# KiCad board zplitzalp.kicad_pcb
title: ilo; rev: v1.0.0; company: Unknown
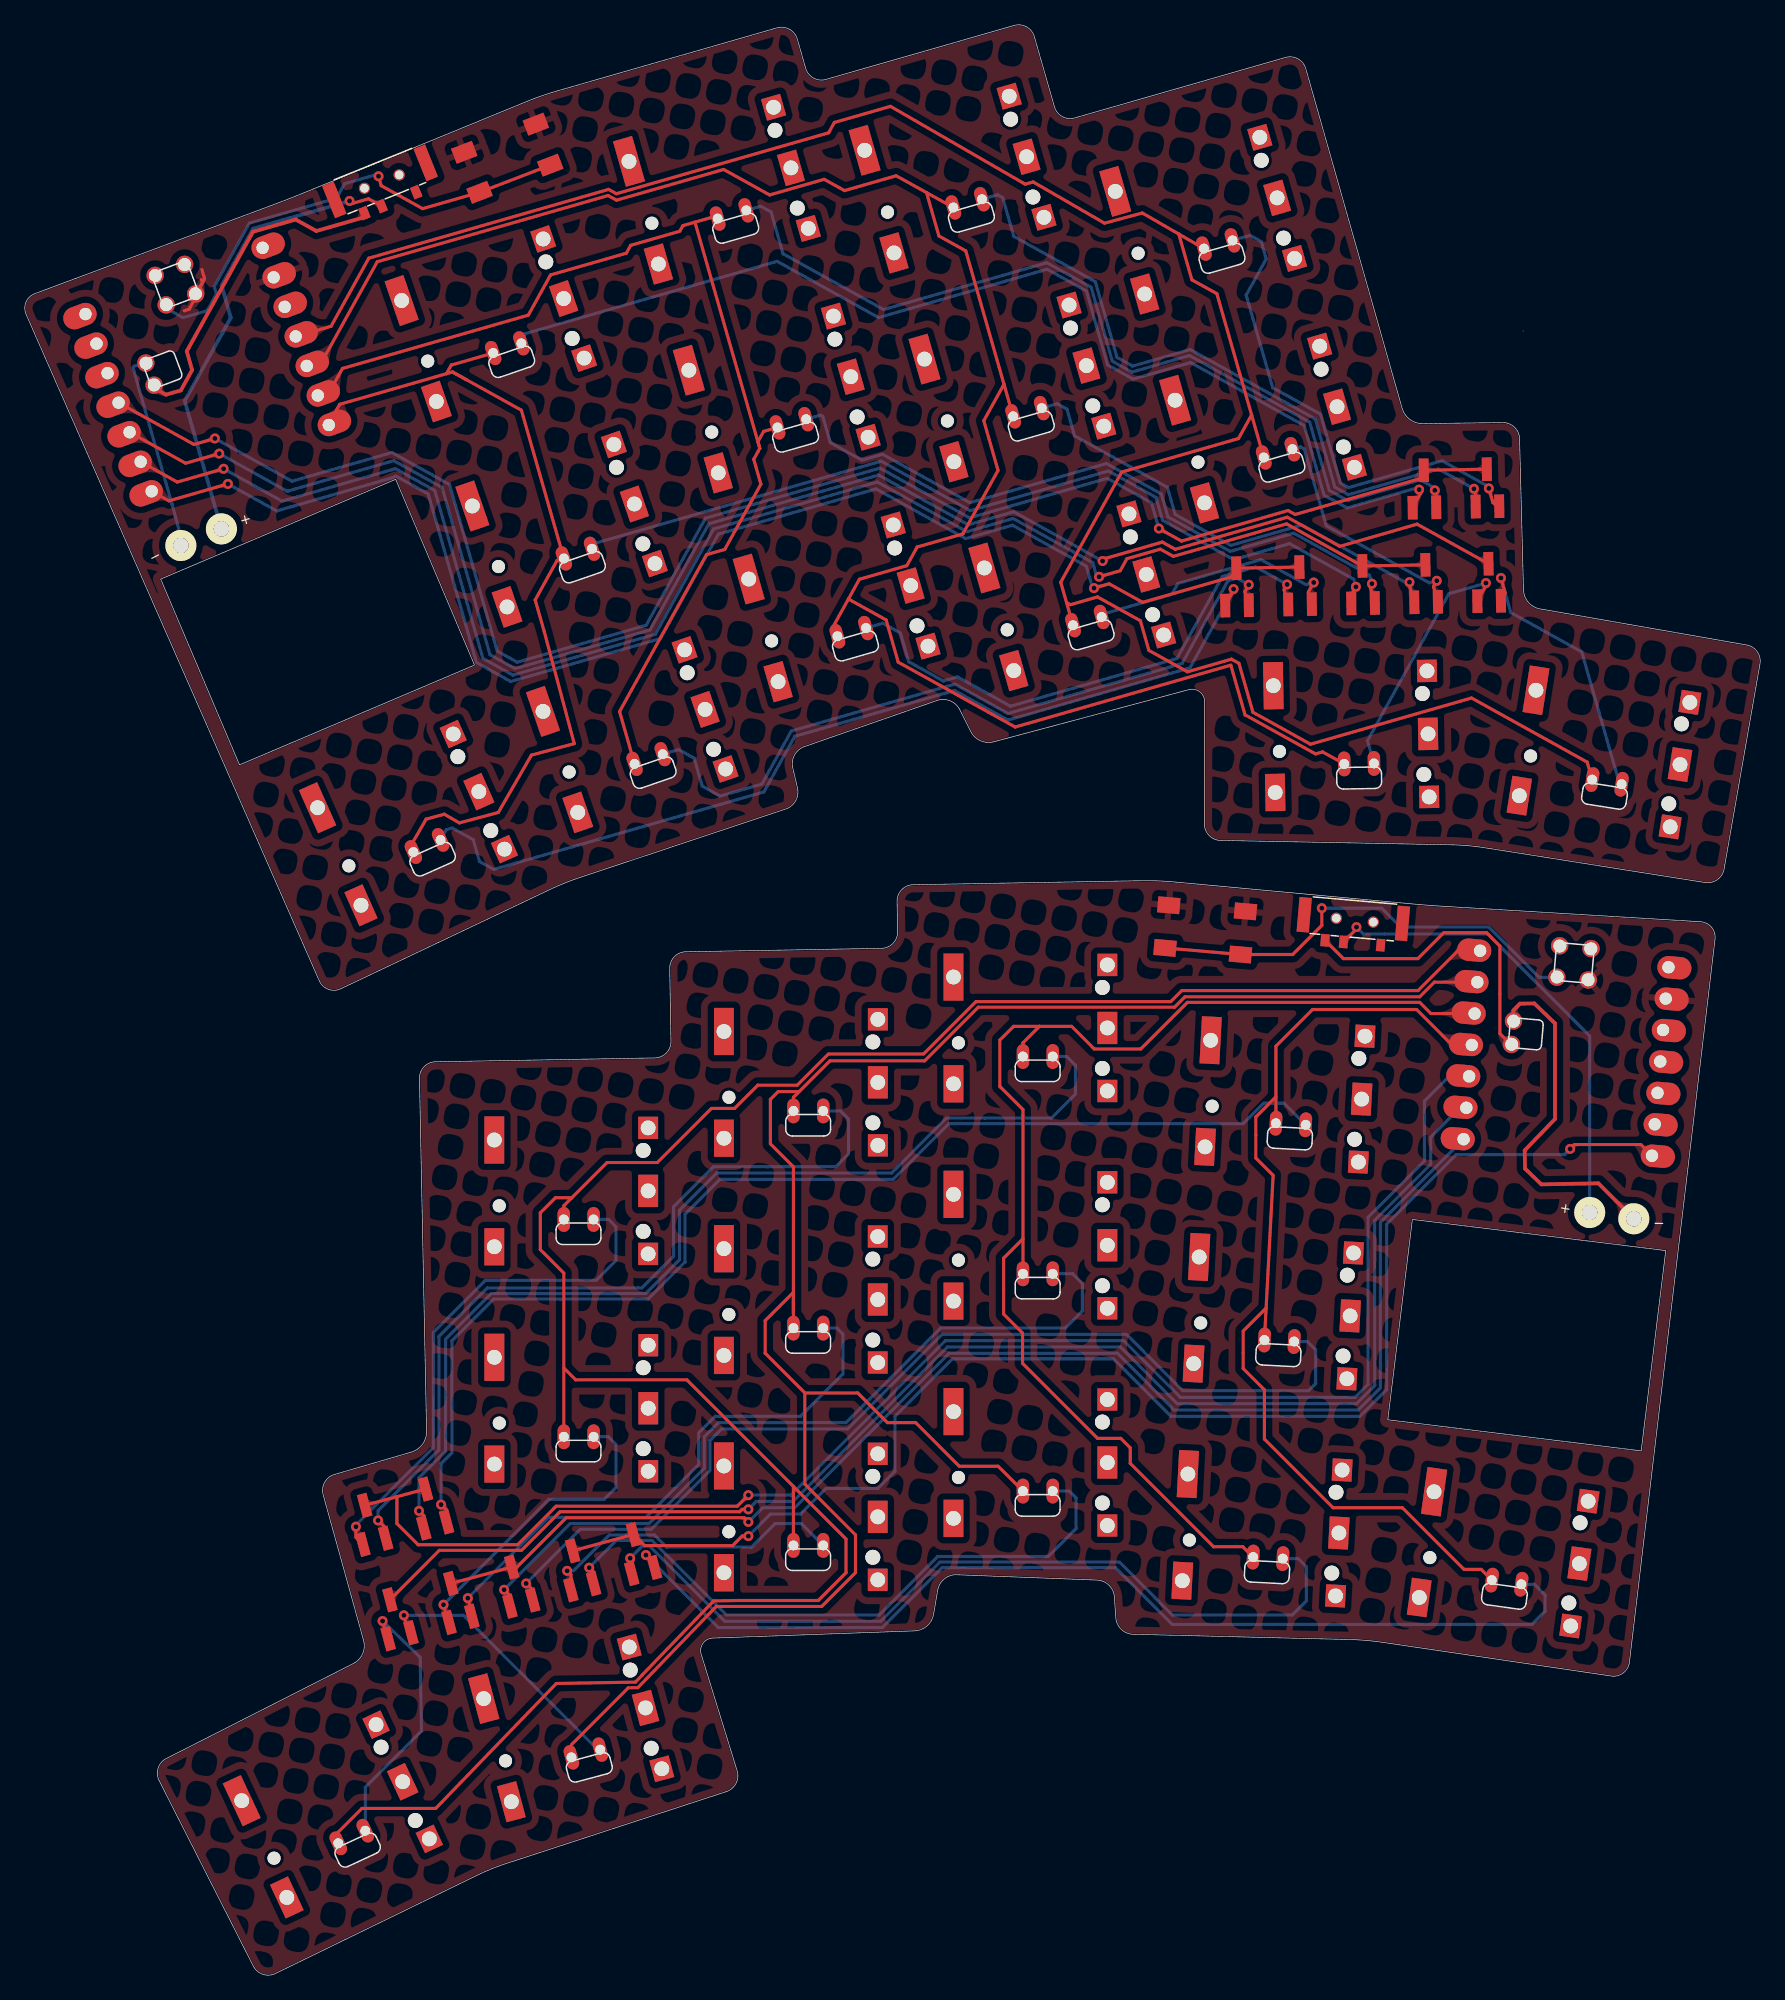
[diagram p0: board, top side]
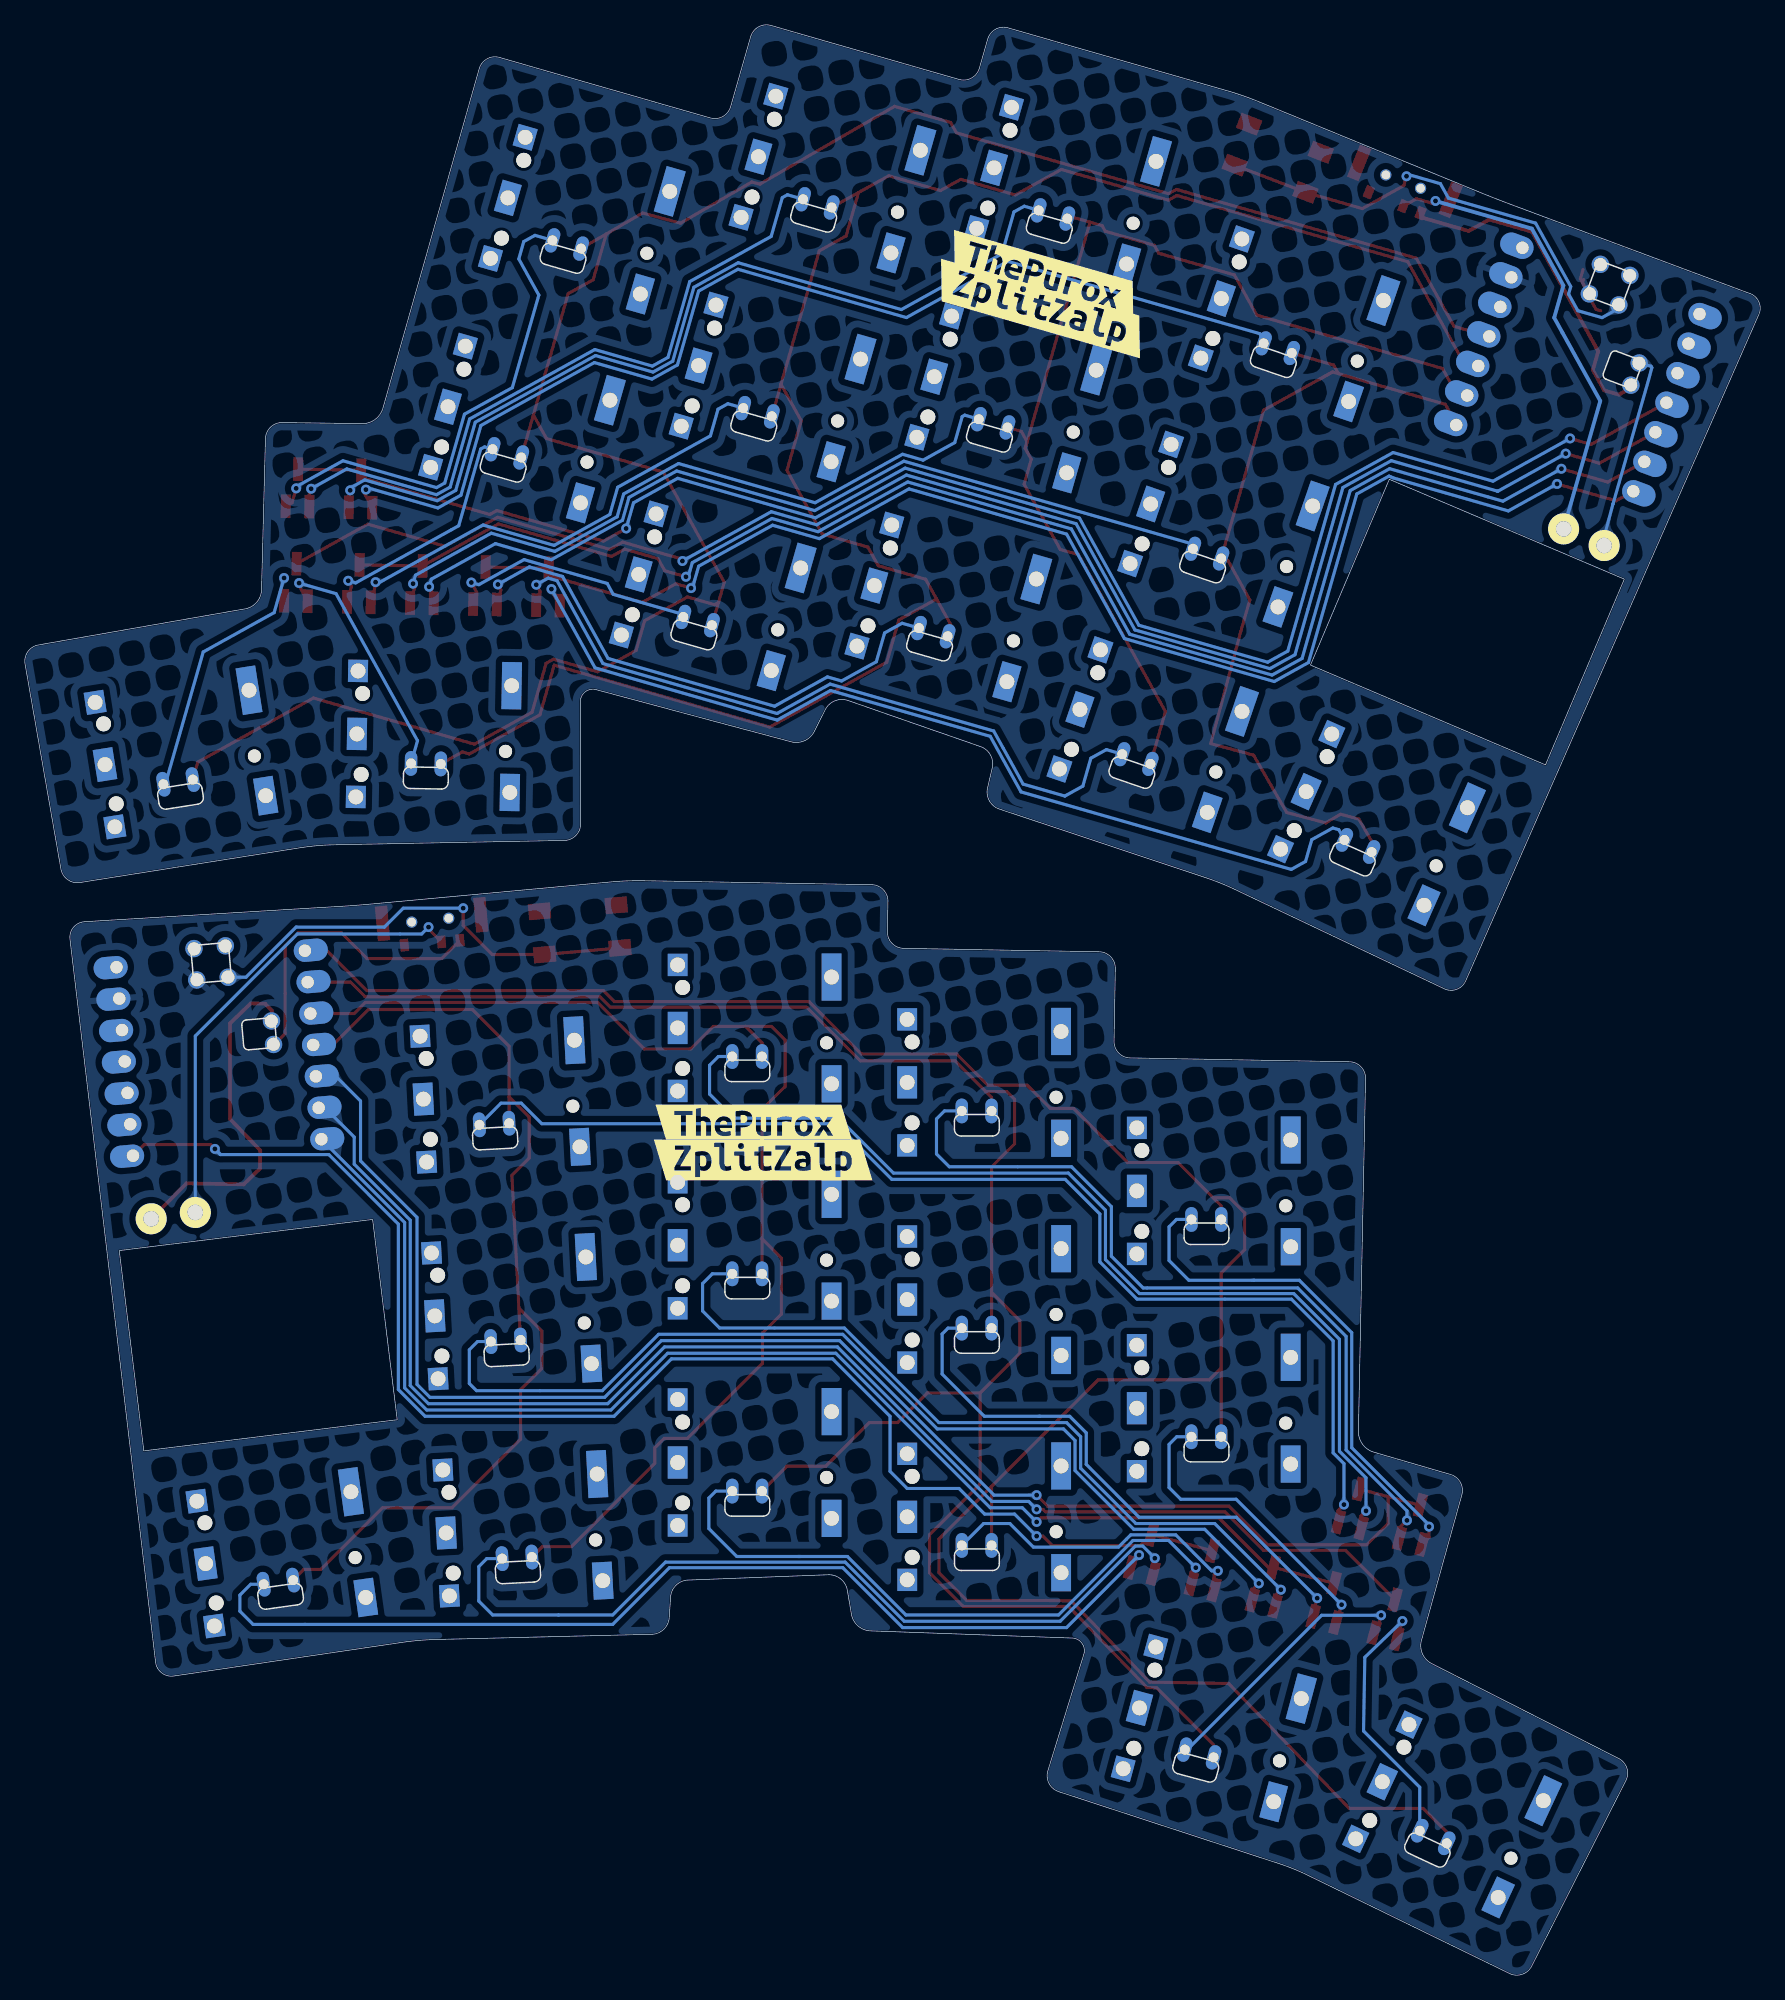
[diagram p1: board, bottom side, seen from below]

Outline 139.84 x 157.09 mm; copper layers: Top, Bottom. Coordinates in mm from the lower left corner of the outline.
Outline path: 17.3,97.48 10.95,112.45 29.89,120.49 36.24,105.52 closed ; 109.83,44.74 111.81,60.87 132.24,58.36 130.25,42.23 closed ; outline of 616 points within 0,79.33 139.84,157.09 closed ; outline of 626 points within 10.68,0 136.21,88.16 closed

## Placement (name value [footprint] x y rotation side)
BAT+1  +  [BatteryPad]  15.84 116.49 38 top
BAT+2  +  [BatteryPad]  126.1 61.43 261 top
BAT-1  -  [BatteryPad]  12.57 115.15 112 top
BAT-2  -  [BatteryPad]  129.66 60.92 21 top
D01  BAV70_Small  [SOT-23_Handsoldering#2]  112.76 119.71 91 top
D02  BAV70_Small  [SOT-23_Handsoldering#4]  117.84 119.8 91 top
D03  BAV70_Small  [SOT-23_Handsoldering#2]  107.82 112.01 91 top
D04  BAV70_Small  [SOT-23_Handsoldering#4]  112.89 112.09 91 top
D05  BAV70_Small  [SOT-23_Handsoldering#2]  97.66 111.83 91 top
D06  BAV70_Small  [SOT-23_Handsoldering#4]  102.74 111.92 91 top
D07  BAV70_Small  [SOT-23_Handsoldering#3]  117.97 112.18 91 top
D08  BAV70_Small  [SOT-23_Handsoldering]  29.81 28.79 105 top
D09  BAV70_Small  [SOT-23_Handsoldering]  44.53 32.73 105 top
D10  BAV70_Small  [SOT-23_Handsoldering#2]  49.44 34.05 105 top
D11  BAV70_Small  [SOT-23_Handsoldering]  34.72 30.1 105 top
D12  BAV70_Small  [SOT-23_Handsoldering#2]  39.62 31.42 105 top
D13  BAV70_Small  [SOT-23_Handsoldering]  27.77 36.39 105 top
D14  BAV70_Small  [SOT-23_Handsoldering#2]  32.68 37.71 105 top
kibuzzard-672142E0  G***  [kibuzzard-672142E0]  81.11 68.71 180 bottom
kibuzzard-672142E0#2  G***  [kibuzzard-672142E0]  57.74 137.04 196 bottom
kibuzzard-67214396  G***  [kibuzzard-67214396]  58 134.24 196 bottom
kibuzzard-67214396#2  G***  [kibuzzard-67214396]  80.35 65.66 180 bottom
SW1  SW_Push  [Cherry_ULP_TH_CUT]  37.56 133.03 19 top
SW2  SW_Push  [Cherry_ULP_TH_CUT]  55.78 143.86 16 top
SW3  SW_Push  [Cherry_ULP_TH_CUT]  74.77 144.76 16 top
SW4  SW_Push  [Cherry_ULP_TH_CUT]  94.96 141.45 16 top
SW5  SW_Push  [Cherry_ULP_TH_CUT]  43.26 116.48 19 top
SW6  SW_Push  [Cherry_ULP_TH_CUT]  60.6 127.04 16 top
SW7  SW_Push  [Cherry_ULP_TH_CUT]  79.59 127.93 16 top
SW8  SW_Push  [Cherry_ULP_TH_CUT]  99.78 124.62 16 top
SW9  SW_Push  [Cherry_ULP_TH_CUT]  30.92 92.81 24 top
SW10  SW_Push  [Cherry_ULP_TH_CUT]  48.96 99.93 19 top
SW11  SW_Push  [Cherry_ULP_TH_CUT]  65.42 110.22 16 top
SW12  SW_Push  [Cherry_ULP_TH_CUT]  84.41 111.11 16 top
SW13  SW_Push  [Cherry_ULP_TH_CUT]  106.88 99.87 1 top
SW14  SW_Push  [Cherry_ULP_TH_CUT]  127.26 98.48 351 top
SW15  SW_Push  [Cherry_ULP_TH_CUT]  24.83 12.96 25 top
SW16  SW_Push  [Cherry_ULP_TH_CUT]  44.03 19.92 15 top
SW17  SW_Push  [Cherry_ULP_TH_CUT]  62.54 36.92 0 top
SW18  SW_Push  [Cherry_ULP_TH_CUT]  81.04 41.29 0 top
SW19  SW_Push  [Cherry_ULP_TH_CUT]  99.7 35.94 357 top
SW20  SW_Push  [Cherry_ULP_TH_CUT]  119.13 34.01 352 top
SW21  SW_Push  [Cherry_ULP_TH_CUT]  44.04 45.67 0 top
SW22  SW_Push  [Cherry_ULP_TH_CUT]  62.54 54.42 0 top
SW23  SW_Push  [Cherry_ULP_TH_CUT]  81.04 58.79 0 top
SW24  SW_Push  [Cherry_ULP_TH_CUT]  100.61 53.43 357 top
SW25  SW_Push  [Cherry_ULP_TH_CUT]  44.03 63.17 0 top
SW26  SW_Push  [Cherry_ULP_TH_CUT]  62.54 71.91 0 top
SW27  SW_Push  [Cherry_ULP_TH_CUT]  81.03 76.29 0 top
SW28  SW_Push  [Cherry_ULP_TH_CUT]  101.54 70.89 357 top
SW29  SW_SPDT  [MSK12C02]  31.73 147.14 292 top
SW30  SW_SPDT  [MSK12C02#2]  111.03 86.02 265 top
SW31  SW_Push  [PushSwitch]  38.93 146.3 21 top
SW32  SW_Push  [PushSwitch]  95.12 84.16 355 top
U1  Seeeduino Xiao nRF52840  [xiao-ble-smd-cutout-extra-pins]  14.69 129.33 20.5 top
U2  Seeeduino Xiao nRF52840  [xiao-ble-smd-cutout-extra-pins]  124.2 74.26 355 top

## Library data of the parts
BAT+1 BAT+2 BAT-1 BAT-2 = -: ki_fp_filters: MountingHole*Pad*
D01 D02 D03 D04 D05 D06 D07 D08 D09-D14 = -: Datasheet: https://assets.nexperia.com/documents/data-sheet/BAV70_SER.pdf; ki_fp_filters: SOT?23*
SW31 SW32 = -: Description: Push button switch, generic, two pins
U1 U2 = -: Description: Symbol for a Seeeduino Xiao nRF52840

## Footprints (pads in the part's own frame, mm; a bottom-side part is the same pattern mirrored in y, then rotated)
BatteryPad
  round 2.5 hole 1.25: 1(0,0)
Cherry_ULP_TH_CUT
  round 1.05 hole 1.05 unplated: (-5.8,-1.2)
  round 1.2 hole 1.2 unplated: (5.8,3.26) (5.8,-3.26)
  rrect 1x2 hole 0.8: 1(-0.6,-2.3) 2(1.8,-2.3)
  rect 1.6x3.8 hole 1.2: 3(-6.2,4.1)
  rect 1.6x3 hole 1.2: 3(-6.2,-4.5)
  rect 1.6x1.8 hole 1.2: 3(6.2,5.075) 3(6.2,-5.075)
  rect 1.6x2.6 hole 1.2: 3(6.2,0)
MSK12C02
  round 0.9 hole 0.7 unplated: (1.35,-5.25) (1.4,-2.25)
  rect 1x0.7 smd: 1(3.2,-1.5) 2(3.2,-4.5) 3(3.2,-6)
  rect 2.8x1 smd: NC(1.3,-7.85) NC(1.3,0.1)
MSK12C02#2
  round 0.9 hole 0.7 unplated: (1.35,-5.25) (1.4,-2.25)
  rect 1x0.7 smd: 1(3.2,-1.5) 2(3.2,-4.5) 3(3.2,-6)
  rect 2.8x1 smd: NC(1.3,0.1) NC(1.3,-7.85)
PushSwitch
  rect 1.8x1.3 smd: 1(-3.1,1.75) 1(3.1,1.8) 2(-3.1,-1.7) 2(3,-1.7)
SOT-23_Handsoldering
  rect 1.9x0.8 smd: 1(-1.5,0.95) 2(-1.5,-0.95) 3(1.5,0)
SOT-23_Handsoldering#2
  rect 1.9x0.8 smd: 1(-1.5,0.95) 2(-1.5,-0.95) 3(1.5,0)
SOT-23_Handsoldering#3
  rect 1.9x0.8 smd: 1(-1.5,0.95) 2(-1.5,-0.95) 3(1.5,0)
SOT-23_Handsoldering#4
  rect 1.9x0.8 smd: 1(-1.5,0.95) 2(-1.5,-0.95) 3(1.5,0)
xiao-ble-smd-cutout-extra-pins
  oval 2.75x1.8 hole 1: 1(-7.62,7.62) 2(-7.62,5.08) 3(-7.62,2.54) 4(-7.62,0) 5(-7.62,-2.54) 6(-7.62,-5.08) 7(-7.62,-7.62) 8(7.62,7.62) 9(7.62,5.08) 10(7.62,2.54) 11(7.62,0) 12(7.62,-2.54) 13(7.62,-5.08) 14(7.62,-7.62)
  round 1.397 hole 1.016: 15(-4.445,2.222) 16(-4.445,0.317) 19(-1.27,8.572) 20(1.27,8.572) 21(-1.27,6.032) 22(1.27,6.032)

## Nets
gnd: SW31.1 SW32.1 U1.9 U1.22 U2.9 U2.22
+BATT1: SW29.3 U1.16
+BATT2: SW30.3 U2.16
-BATT1: BAT-1.1 U1.15
-BATT2: BAT-2.1 U2.15
c1: SW1.1 SW5.1 SW9.1 U1.14
c2: SW2.1 SW6.1 SW10.1 U1.13
c3: SW3.1 SW7.1 SW11.1 SW13.1 U1.12
c4: SW4.1 SW8.1 SW12.1 SW14.1 U1.11
c5: SW15.1 SW17.1 SW21.1 SW25.1 U2.1
c6: SW16.1 SW18.1 SW22.1 SW26.1 U2.2
c7: SW19.1 SW23.1 SW27.1 U2.3
c8: SW20.1 SW24.1 SW28.1 U2.4
r1: D01.3 D02.3 U1.4
r2: D03.3 D04.3 U1.6
r3: D05.3 D06.3 U1.7
r4: D07.3 U1.5
r5: D13.3 D14.3 U2.5
r6: D11.3 D12.3 U2.7
r7: D09.3 D10.3 U2.14
r8: D08.3 U2.6
RST1: SW31.2 U1.21
RST2: SW32.2 U2.21
Net-(D01-A1): D01.1 SW1.2
Net-(D01-A2): D01.2 SW2.2
Net-(D02-A1): D02.1 SW3.2
Net-(D02-A2): D02.2 SW4.2
Net-(D03-A1): D03.1 SW5.2
Net-(D03-A2): D03.2 SW6.2
Net-(D04-A1): D04.1 SW7.2
Net-(D04-A2): D04.2 SW8.2
Net-(D05-A1): D05.1 SW9.2
Net-(D05-A2): D05.2 SW10.2
Net-(D06-A1): D06.1 SW11.2
Net-(D06-A2): D06.2 SW12.2
Net-(D07-A1): D07.1 SW13.2
Net-(D07-A2): D07.2 SW14.2
Net-(D08-A1): D08.1 SW15.2
Net-(D08-A2): D08.2 SW16.2
Net-(D09-A1): D09.1 SW17.2
Net-(D09-A2): D09.2 SW18.2
Net-(D10-A1): D10.1 SW19.2
Net-(D10-A2): D10.2 SW20.2
Net-(D11-A1): D11.1 SW21.2
Net-(D11-A2): D11.2 SW22.2
Net-(D12-A1): D12.1 SW23.2
Net-(D12-A2): D12.2 SW24.2
Net-(D13-A1): D13.1 SW25.2
Net-(D13-A2): D13.2 SW26.2
Net-(D14-A1): D14.1 SW27.2
Net-(D14-A2): D14.2 SW28.2
Net-(SW29-B): BAT+1.1 SW29.2
Net-(SW30-B): BAT+2.1 SW30.2

Pads without a net: SW1 3; SW2 3; SW3 3; SW4 3; SW5 3; SW6 3; SW7 3; SW8 3; SW9 3; SW10 3; SW11 3; SW12 3; SW13 3; SW14 3; SW15 3; SW16 3; SW17 3; SW18 3; SW19 3; SW20 3; SW21 3; SW22 3; SW23 3; SW24 3; SW25 3; SW26 3; SW27 3; SW28 3; SW29 1 NC; SW30 1 NC; U1 1 2 3 8 10 19 20; U2 8 10 11 12 13 19 20

## Via types
v1: diameter 0.8, hole 0.4, Top to Bottom, 45 vias

## Routing (per net, layer and track width the routed paths; a pad name or vN(x,y) marks a point on that pad's centre or on a via; arc(x,y) is an arc through that point)
gnd: length 5.3
  Top w0.25: 14.24,136.58 14.31,136.32 13.83,135.44 ; 13.83,135.44 U1.22 13.82,135.24 13.23,134.18 12.85,134.07 ; 13.83,135.44 14.49,136.63 14.27,137.38
+BATT1: length 26.4
  Top w0.3: SW29.3 27.15,141.54 23.49,140.49 21.82,141.41 18.39,140.42 13.22,131.1 13.05,130.8 13.48,129.29 12.57,127.65 11.38,127.3 10.49,127.79
+BATT2: length 24.3
  Top w0.25: SW30.3 106.25,81.88 112.26,81.88 114.35,83.97 117.79,83.97 118.87,82.9 118.87,79.05 118.87,75.84 119.74,74.96
-BATT1: length 15.8
  Bottom w0.25: 12.7,115.37 11.86,118.51 11.86,118.51 9,128.49 8.73,129.48 8.8,129.6 U1.15
-BATT2: length 28.2
  Top w0.3: U2.15 119.95,77.7 120.48,78.25 121.64,78.27 123.31,76.66 123.31,68.96 120.87,66.43 120.89,64.97 122.21,63.7 126.81,63.78 BAT-2.1
c1: length 68.9
  Top w0.25: 34.48,129.12 35.57,128.52 ; 35.57,128.52 34.46,129.13 33.98,128.99 ; 35.57,128.52 40.02,126.05 SW5.1 42.89,113.95 41.13,110.77 41.86,108.22 44.28,99.2 40.82,98.27 38.16,93.65 35.02,92.81 33.81,93.51 32.34,93.12 31.15,91.06 ; SW1.1 34.37,129.69 33.98,128.99 ; 33.98,128.99 25.37,126.52 24.68,125.29
c2: length 86.2
  Top w0.25: SW6.1 59.54,124.34 59.07,123.51 59.23,122.98 ; SW10.1 47.93,101.78 54.93,114.41 56.4,114.84 59.32,120.09 58.74,122.1 59.23,122.98 ; 59.23,122.98 54,141.2 ; 54,141.2 55.55,141.64 ; 54,141.2 53.03,140.92 52.78,140.47 48.82,139.33 48.47,138.7 42.37,136.95 40.57,133.71 25.6,129.41 24.89,128.14
c3: length 154.7
  Top w0.25: 72.66,143.58 SW3.1 ; 72.66,143.58 70.21,144.93 66.05,143.74 64.41,144.65 60.02,143.39 56.31,145.44 47.68,142.97 47.01,143.34 41.23,141.69 28.4,138.01 23.94,129.97 ; 72.66,143.58 73.67,140.08 75.83,138.88 78.91,128.14 ; 78.91,128.14 SW7.1 ; 78.91,128.14 77.28,125.2 78.43,121.2 75.59,116.09 71.91,115.03 71.08,113.53 67.25,112.43 66.37,110.84 ; 65.22,108.76 66.37,110.84 ; 66.37,110.84 69.41,109.16 70.38,105.75 79.81,100.53 97.18,105.52 98.33,101.51 104.01,98.37 104.58,98.53 SW13.1
c4: length 179.8
  Top w0.25: 92.99,140.24 94.05,136.55 96.06,135.44 98.86,125.67 ; 92.99,140.24 SW4.1 ; 92.99,140.24 90.05,141.93 87,141.12 81.26,144.43 80.61,144.26 69.76,150.52 65.24,149.23 64.78,148.39 47.67,143.49 47.04,143.84 27.72,138.3 24.68,132.81 U1.11 ; 83.95,110.56 84.26,110.39 86.44,111.01 89.9,109.1 90.58,106.7 93.69,104.98 97.24,106 97.84,105.67 98.97,101.72 103.6,99.15 116.58,102.87 125.9,97.7 SW14.1 ; 83.95,110.56 83.48,112.2 88.4,121.07 97.34,123.64 97.81,123.77 98.86,125.67 ; 83.95,110.56 SW12.1 ; 98.86,125.67 SW8.1
c5: length 191.8
  Top w0.25: 61.94,39.37 SW17.1 ; 61.94,39.37 53.35,47.95 44.39,47.95 43.43,48.91 ; 61.94,39.37 66.18,35.12 66.18,32.42 63.94,30.18 57.54,30.18 55.51,30.14 49.77,24.2 49.77,24.19 49.21,23.6 42.83,23.49 33.11,13.43 27.16,13.43 25.26,11.53 SW15.1 ; 44.08,62.62 42.76,62.62 41.54,61.4 41.54,58.44 43.43,56.55 43.43,43.37 ; 44.08,62.62 46.92,65.45 50.97,65.45 55.33,69.81 57.2,69.81 59.07,71.68 62.24,71.68 64.76,74.2 72.43,74.2 76.65,78.42 92.34,78.42 93.23,79.3 112.27,79.3 115.48,82.51 U2.1 ; 44.08,62.62 43.43,61.97 SW25.1
c6: length 159.1
  Top w0.25: 61.94,55 61.94,64.42 61.94,65.1 60.08,66.96 60.08,70.54 60.71,71.17 62.4,71.17 ; 61.94,55 61.94,54.49 ; 61.94,55 59.66,52.72 59.66,50.1 62.86,46.9 ; 61.94,54.49 61.94,53.32 ; 61.94,54.49 SW22.1 ; U2.2 113.59,79.98 112.41,78.8 93.49,78.8 92.65,77.97 76.83,77.97 72.51,73.65 64.88,73.65 62.4,71.17 ; 62.4,71.17 61.94,70.71 SW26.1 ; 62.86,46.9 67.12,46.9 69.51,44.51 71.79,44.51 75.3,40.99 78.44,40.99 SW18.1 ; 62.86,46.9 62.86,39.55 66.94,35.47 66.94,32.42 64.22,29.7 55.72,29.7 49.4,23.16 48.63,23.14 44.05,18.56
c7: length 101.1
  Top w0.25: 81.76,76.42 80.43,75.09 SW27.1 ; 81.76,76.42 79.68,76.42 78.57,75.32 78.57,71.59 80.43,69.72 80.43,59.31 ; 81.76,76.42 84.36,76.42 86.17,74.61 89.93,74.61 93.68,78.35 112.41,78.35 113.31,77.45 U2.3 ; 80.43,59.31 78.88,57.76 78.88,53.25 80.4,51.72 80.4,49.28 86.45,43.24 88.32,43.24 89.08,42.47 89.08,41.22 95.8,34.51 98.15,34.51 SW19.1 ; 80.43,59.31 SW23.1
c8: length 78.7
  Top w0.25: 100.03,53.73 98.18,51.88 98.18,48.86 99.89,47.15 99.89,43.18 105.42,37.65 111.01,37.65 115.98,32.68 117.36,32.68 SW20.1 ; 100.03,53.73 100.59,64.42 99.2,65.82 99.2,69.12 100.82,70.74 ; 100.03,53.73 SW24.1 ; SW28.1 100.82,70.74 ; 100.82,70.74 100.82,74.82 103.77,77.78 112.16,77.78 115.01,74.92
r1: length 134.5
  Top w0.25: v1(15.32,123.78) 13.63,123.29 U1.4 ; D02.3 D01.3 112.35,120.51 102.37,117.65 101.8,117.97 93.21,115.51 v1(91.39,116.52)
  Bottom w0.25: v1(91.39,116.52) 90.79,118.59 87.23,120.57 76.13,117.38 68.9,121.39 54.85,117.36 50.07,108.73 39.68,105.75 38.07,106.65 36.88,110.8 34.22,120.07 29.58,122.64 21.53,120.33 v1(15.32,123.78)
r2: length 127.2
  Top w0.25: D04.3 D03.3 101.68,116.89 92.55,114.28 91.5,114.86 88.81,114.09 88.27,113.12 v1(86.57,112.63) ; U1.6 12.28,120.26 v1(16.02,121.34)
  Bottom w0.25: v1(16.02,121.34) 20.73,118.72 21.95,119.07 29.86,121.34 33.04,119.58 36,109.23 36.91,106.06 39.33,104.72 50.81,108.01 55.51,116.49 68.7,120.27 75.92,116.27 79.64,117.33 86.06,113.77 86.35,112.75 v1(86.57,112.63)
r3: length 115.3
  Top w0.25: D06.3 D05.3 97.24,112.63 90.08,110.57 87.38,112.07 v1(86.16,111.72) ; v1(16.37,120.11) 11.61,118.75 U1.7
  Bottom w0.25: v1(86.16,111.72) 86.03,111.79 85.54,113.48 79.58,116.79 75.82,115.71 68.59,119.71 55.89,116.07 51.23,107.66 50.93,107.57 39.16,104.2 36.4,105.73 32.51,119.3 29.92,120.74 29.88,120.73 29.57,120.6 21.52,118.29 20.3,117.94 v1(16.37,120.11)
r4: length 133.1
  Top w0.25: D07.3 112.19,116.87 105.97,115.09 101.74,117.43 92.71,114.84 91.66,115.43 86.95,114.08 v1(86.85,113.9) ; v1(15.67,122.56) 12.96,121.78 U1.5
  Bottom w0.25: v1(86.85,113.9) 79.69,117.87 76.03,116.82 68.8,120.83 55.13,116.91 50.38,108.35 39.51,105.24 37.49,106.35 33.63,119.82 29.73,121.99 21.18,119.54 ; 21.18,119.54 21.14,119.52 v1(15.67,122.56) ; 21.18,119.54 21.17,119.51
r5: length 124.5
  Top w0.25: D13.3 29.99,38.54 ; 29.99,38.54 29.99,36.38 31.7,34.67 39.71,34.67 42.81,37.78 57.42,37.78 v1(58.31,38.66) ; 29.99,38.54 D14.3
  Bottom w0.25: U2.5 114.77,72.39 112.79,70.41 112.79,65.59 108.24,61.04 108.24,47.59 107.19,46.54 93.12,46.54 88.55,51.11 74.18,51.11 61.74,38.66 v1(58.31,38.66)
r6: length 107.9
  Top w0.25: D11.3 D12.3 39.65,32.87 43.63,36.84 57.97,36.84 v1(58.31,36.51)
  Bottom w0.25: U2.7 109.23,60.62 109.23,47.3 107.46,45.52 92.61,45.52 88.04,50.09 74.49,50.09 62.04,37.65 59.46,37.65 58.32,36.51 v1(58.31,36.51)
r7: length 116.2
  Top w0.25: v1(58.31,35.36) 57.8,35.36 57.04,34.6 49.95,34.6 D10.3 D09.3 ; U2.14 130.23,66.9 124.88,66.9 v1(124.53,66.55)
  Bottom w0.25: v1(58.31,35.36) 60.09,37.14 62.5,37.14 64.56,39.2 68.74,39.2 70.12,40.58 70.12,45.01 74.75,49.64 87.73,49.64 92.36,45.01 107.58,45.01 109.74,47.17 109.74,60.49 115.34,66.1 124.07,66.1 v1(124.53,66.55) 124.53,66.53 124.09,66.1
r8: length 116
  Top w0.25: D08.3 33.4,34.22 40.02,34.22 43.13,37.33 57.6,37.33 57.8,37.52 v1(58.31,37.52)
  Bottom w0.25: U2.6 115.66,69.86 113.3,67.5 113.3,65.32 108.78,60.81 108.78,47.49 107.32,46.03 92.87,46.03 88.3,50.6 74.36,50.6 61.91,38.16 58.94,38.16 v1(58.31,37.52)
RST1: length 38.8
  Top w0.25: SW31.2 SW31.2 32.06,142.29 28.72,144.14 v1(28.5,144.9)
  Bottom w0.25: v1(28.5,144.9) 28.28,145.02 25.77,144.29 25.12,143.13 18.1,141.12 15.27,136.01 15.44,135.41 14.7,134.07 12.74,133.51 11.49,134.2 U1.21
RST2: length 36.3
  Top w0.25: v1(104.52,85.94) 104.52,84.55 102.17,82.21 SW32.2 SW32.2
  Bottom w0.25: v1(104.52,85.94) 109.34,85.94 110.87,84.42 117.98,84.42 122.02,80.38 U2.21
Net-(D01-A1): length 88.6
  Top w0.25: D01.1 112.46,119.31 v1(112.36,119.66)
  Bottom w0.25: 39.86,131.38 40.33,132.22 60.63,138.04 68.8,133.51 82.38,137.41 85.55,135.65 87.25,129.7 89.3,128.56 93.94,129.89 103.09,124.82 104.7,119.21 106.55,118.18 112.14,119.78 v1(112.36,119.66)
Net-(D01-A2): length 73.4
  Top w0.25: v1(113.62,119.6) 113.92,118.56
  Bottom w0.25: SW2.2 59.3,142.48 60.13,142.02 61.1,138.65 69.21,134.16 82.36,137.93 85.93,135.95 87.63,130 89.22,129.12 93.86,130.45 103.54,125.08 105.12,119.59 106.61,118.76 112.45,120.44 113.56,119.82 v1(113.62,119.6) ; 58.71,142.3 57.99,142.09
Net-(D02-A1): length 55.6
  Top w0.25: v1(116.77,119.72) 117.1,118.61
  Bottom w0.25: SW3.2 78.39,143.4 78.8,143.17 79.7,140.05 86.26,136.41 88.01,130.3 89.27,129.61 93.91,130.94 104,125.34 105.57,119.85 106.67,119.25 113.9,121.32 v1(116.77,119.72)
Net-(D02-A2): length 40
  Top w0.25: D02.2 118.31,118.6 v1(117.98,119.75)
  Bottom w0.25: SW4.2 98.73,140.13 99.64,139.63 100.04,138.23 98.42,135.32 100.56,127.87 104.42,125.73 106.01,120.18 106.67,119.82 114.2,121.98 117.93,119.91 v1(117.98,119.75)
Net-(D03-A1): length 69.6
  Top w0.25: v1(107.26,111.83) 106.77,110.93
  Bottom w0.25: v1(107.26,111.83) 107.09,112.44 101.92,115.3 97.41,114.01 91.68,117.19 91.15,119.03 87.31,121.16 76.19,117.97 69.01,121.95 45.82,115.3 45.56,114.83
Net-(D03-A2): length 55.1
  Top w0.25: v1(108.56,112.08) 108.42,111.82 D03.2
  Bottom w0.25: v1(108.56,112.08) 108.36,112.76 102.25,116.15 97.13,114.68 92.11,117.46 91.59,119.3 87.16,121.76 76.16,118.6 69.11,122.5 67.45,122.03 64.91,123.44 64.31,125.54 64.1,125.65 SW6.2
Net-(D04-A1): length 38.7
  Top w0.25: D04.1 111.53,112.11 v1(111.58,112.2)
  Bottom w0.25: v1(111.58,112.2) 111.34,112.13 102.92,116.81 97.19,115.16 92.7,117.65 92.07,119.84 84.6,123.98 83.98,126.13 83.19,126.57 SW7.2 ; 81.8,126.17 82.02,125.41
Net-(D04-A2): length 19.4
  Top w0.25: v1(113.78,112.31) 113.52,111.84 D04.2
  Bottom w0.25: v1(113.78,112.31) 113.18,112.14 104.88,116.75 103.11,122.92 102.8,123.09 SW8.2
Net-(D05-A1): length 76.6
  Top w0.25: v1(97.41,111.64) 97.43,111.57 D05.1
  Bottom w0.25: v1(97.41,111.64) 93.89,105.3 79.22,101.09 74.92,103.47 74.59,103.38 62.05,99.78 59.57,95.31 37.79,89.06 36.64,89.7 36.13,91.46 34.44,92.4 33.96,92.26 SW9.2
Net-(D05-A2): length 59.6
  Top w0.25: v1(98.63,111.99) 98.32,111.44 D05.2
  Bottom w0.25: v1(98.63,111.99) 97.67,112.53 96.95,112.32 93.25,105.65 79.22,101.62 74.95,103.99 61.77,100.21 61,98.82 59.4,95.94 56.03,94.97 54.58,95.77 53.94,98.02 52.69,98.71 SW10.2
Net-(D06-A1): length 43.6
  Top w0.25: v1(101.72,112.02) 101.48,111.57 D06.1
  Bottom w0.25: SW11.2 69.14,108.89 70.56,108.11 71.22,105.79 74.02,104.24 75.17,104.57 79.42,102.21 92.85,106.06 96.51,112.66 99.18,113.43 v1(101.72,112.02)
Net-(D06-A2): length 20.8
  Top w0.25: D06.2 103.43,111.4 v1(103.86,112.17)
  Bottom w0.25: 86.63,109.34 86.77,109.6 92.43,111.22 92.91,112.1 99.61,114.02 103.25,112 v1(103.86,112.17)
Net-(D07-A1): length 20.2
  Top w0.25: D07.1 117.78,111.99 v1(117.74,112.13)
  Bottom w0.25: SW13.2 108.2,99.43 114.76,111.27 v1(117.74,112.13)
Net-(D07-A2): length 22.5
  Top w0.25: v1(118.95,112.54) 119.3,111.33 D07.2
  Bottom w0.25: v1(118.95,112.54) 119.75,109.75 125.47,106.58 128.52,95.94
Net-(D08-A1): length 21.5
  Top w0.25: v1(28.83,28.53) 29.2,27.14
  Bottom w0.25: SW15.2 27.43,15.14 31.96,19.67 31.96,19.72 31.86,25.6 v1(28.83,28.53)
Net-(D08-A2): length 21.5
  Top w0.25: v1(30.55,28.99) 30.89,27.72
  Bottom w0.25: 46.21,18.12 35.34,28.99 v1(30.55,28.99)
Net-(D09-A1): length 25.4
  Top w0.25: v1(43.7,32.57) 44,32.27 D09.1
  Bottom w0.25: v1(43.7,32.57) 44.2,32.57 47.1,35.46 50.73,35.46 51.71,34.48 58.57,34.48 60.47,36.38 62.57,36.38 SW17.2
Net-(D09-A2): length 51.7
  Top w0.25: v1(45.48,32.82) 45.84,32.47 D09.2
  Bottom w0.25: SW18.2 84.16,38.99 84.72,38.43 84.72,35.97 82.47,33.72 77.35,33.72 ; v1(45.48,32.82) 47.67,35.01 50.54,35.01 56.54,29.01 68.85,29.01 73.56,33.72 77.35,33.72 ; 77.35,33.72 77.57,33.72
Net-(D10-A1): length 67.8
  Top w0.25: D10.1 48.91,33.46 v1(48.78,33.58)
  Bottom w0.25: SW19.2 102.62,33.55 103.26,32.91 103.26,30.13 102.14,29.01 96.84,29.01 92.47,29.01 88.21,33.27 73.74,33.27 68.97,28.5 56.41,28.5 50.35,34.56 49.75,34.56 48.78,33.59 v1(48.78,33.58)
Net-(D10-A2): length 83.9
  Top w0.25: 50.74,33.15 v1(50.05,33.84)
  Bottom w0.25: SW20.2 121.64,31.49 122.51,30.61 122.51,29.32 121.45,28.25 117.23,28.25 ; v1(50.05,33.84) 55.89,28 69.1,28 73.93,32.82 87.9,32.82 92.47,28.25 117.23,28.25 ; 117.23,28.25 117.36,28.25
Net-(D11-A1): length 24.8
  Top w0.25: v1(33.74,29.84) 34.11,28.45
  Bottom w0.25: SW21.2 47.02,43.37 47.64,42.75 47.64,39.28 46.69,38.33 42.23,38.33 v1(33.74,29.84)
Net-(D11-A2): length 46
  Top w0.25: v1(35.7,30.37) 36.07,28.98
  Bottom w0.25: v1(35.7,30.37) 42.22,36.89 50.05,36.89 54.31,41.14 54.31,43.68 55.64,45.01 58.05,45.01 ; 58.05,45.01 58.18,45.01 ; 58.05,45.01 62.52,45.01 65.92,48.42 65.92,51.64 65.45,52.12 SW22.2 64.18,51.96
Net-(D12-A1): length 63.4
  Top w0.25: 39.09,30.57 v1(38.62,31.04)
  Bottom w0.25: v1(38.62,31.04) 43.96,36.38 50.31,36.38 54.76,40.83 54.76,43.37 55.89,44.51 66.18,44.51 73.8,52.13 79.42,52.13 83.85,52.13 85.23,53.5 85.23,55.7 84.44,56.49 SW23.2 82.52,56.17
Net-(D12-A2): length 80.9
  Top w0.25: 40.93,31.02 v1(40.4,31.55)
  Bottom w0.25: v1(40.4,31.55) 44.76,35.91 50.48,35.91 55.21,40.65 55.21,43.07 56.14,44 66.31,44 73.93,51.62 88.77,51.62 93.31,47.08 98.33,47.08 103.45,47.08 104.02,47.66 104.02,50.37 103.36,51.04 SW24.2
Net-(D13-A1): length 41.9
  Top w0.25: D13.1 26.68,35.26 v1(26.68,36.12)
  Bottom w0.25: 40.78,55.97 37.13,55.97 32.92,51.75 32.92,42.49 26.68,36.26 v1(26.68,36.12) ; 40.78,55.97 40.93,55.97 ; 40.78,55.97 46.04,55.97 47.64,57.56 47.64,60.28 47.04,60.87 SW25.2
Net-(D13-A2): length 64.3
  Top w0.25: 29.08,36.02 v1(28.46,36.63)
  Bottom w0.25: v1(28.46,36.63) 28.46,37.4 33.37,42.3 33.37,51.45 37.27,55.35 49.72,55.35 52.28,57.91 52.28,61.9 55.5,65.11 65.35,65.11 66.38,66.15 66.38,68.97 65.73,69.61 SW26.2
Net-(D14-A1): length 82
  Top w0.25: v1(31.76,37.39) 32.15,37.01 D14.1
  Bottom w0.25: SW27.2 83.95,73.99 84.67,73.28 84.67,70.97 82.72,69.03 77.37,69.03 74.27,69.03 69.85,64.61 55.75,64.61 52.76,61.62 52.76,57.64 50.02,54.9 37.59,54.9 33.91,51.22 33.91,42.2 31.76,40.06 v1(31.76,37.39)
Net-(D14-A2): length 94.8
  Top w0.25: D14.2 33.99,37.46 v1(33.54,37.9)
  Bottom w0.25: v1(33.54,37.9) 33.54,41.2 34.41,42.08 34.41,51.09 37.77,54.45 43.16,54.45 50.21,54.45 53.21,57.45 53.21,61.3 56,64.1 69.97,64.1 74.46,68.58 98.18,68.58 99.84,70.24 101.47,70.24 SW28.2
Net-(SW29-B): length 37.2
  Top w0.25: SW29.2 27.7,143.08 26.48,142.73 v1(26.17,142.9)
  Bottom w0.3: BAT+1.1 12.89,126.8 15.94,132.3 16.6,133.5 15.86,136.09 18.4,140.68 v1(26.17,142.9)
Net-(SW30-B): length 38.3
  Top w0.25: SW30.2 107.31,84.27 v1(107.31,84.42)
  Bottom w0.25: v1(107.31,84.42) 107.87,83.86 109.6,83.86 117.88,83.86 126.1,75.64 BAT+2.1

## Copper pours and planes (outline as drawn; the poured copper is in the pictures)
gnd on Top, Bottom: -28.16,34.99 -15.64,21.78 -14.65,17.28 -19.43,12.92 -10.91,-4.97 11.08,-8.15 35.71,-3.02 39.37,0.17 52.65,4.08 53.26,6.72 67.63,6.53 64.82,21.87 84.6,20.89 107.34,18.54 111.71,15.5 150.85,17.7 147.51,171.32 -4.42,158.66 -24.3,139.68 -24.33,139.76 -42.09,109.56 -42.1,109.56 -46.08,92.46 -5.11,91.01 -11.48,128.12 -14.35,106.66 -16.02,108.28 -16.97,109.48 -32.1,124.1 -49.44,137.51 -67.38,152.33 -91.64,119.2 -103.61,102.9 -86.44,90.68 -71.07,77.46 -67.94,80.4 -57.39,71.28 -59.91,67.45 -46.55,54.07 -57.36,47.87 -47.08,29.26 -39.67,9.98 -21.44,16.64

Small or netless copper shapes (teardrops, artwork), in the pictures only: 112 on Top, 51 on Bottom
